# KiCad board RASRF2400WBMC.kicad_pcb (continued)
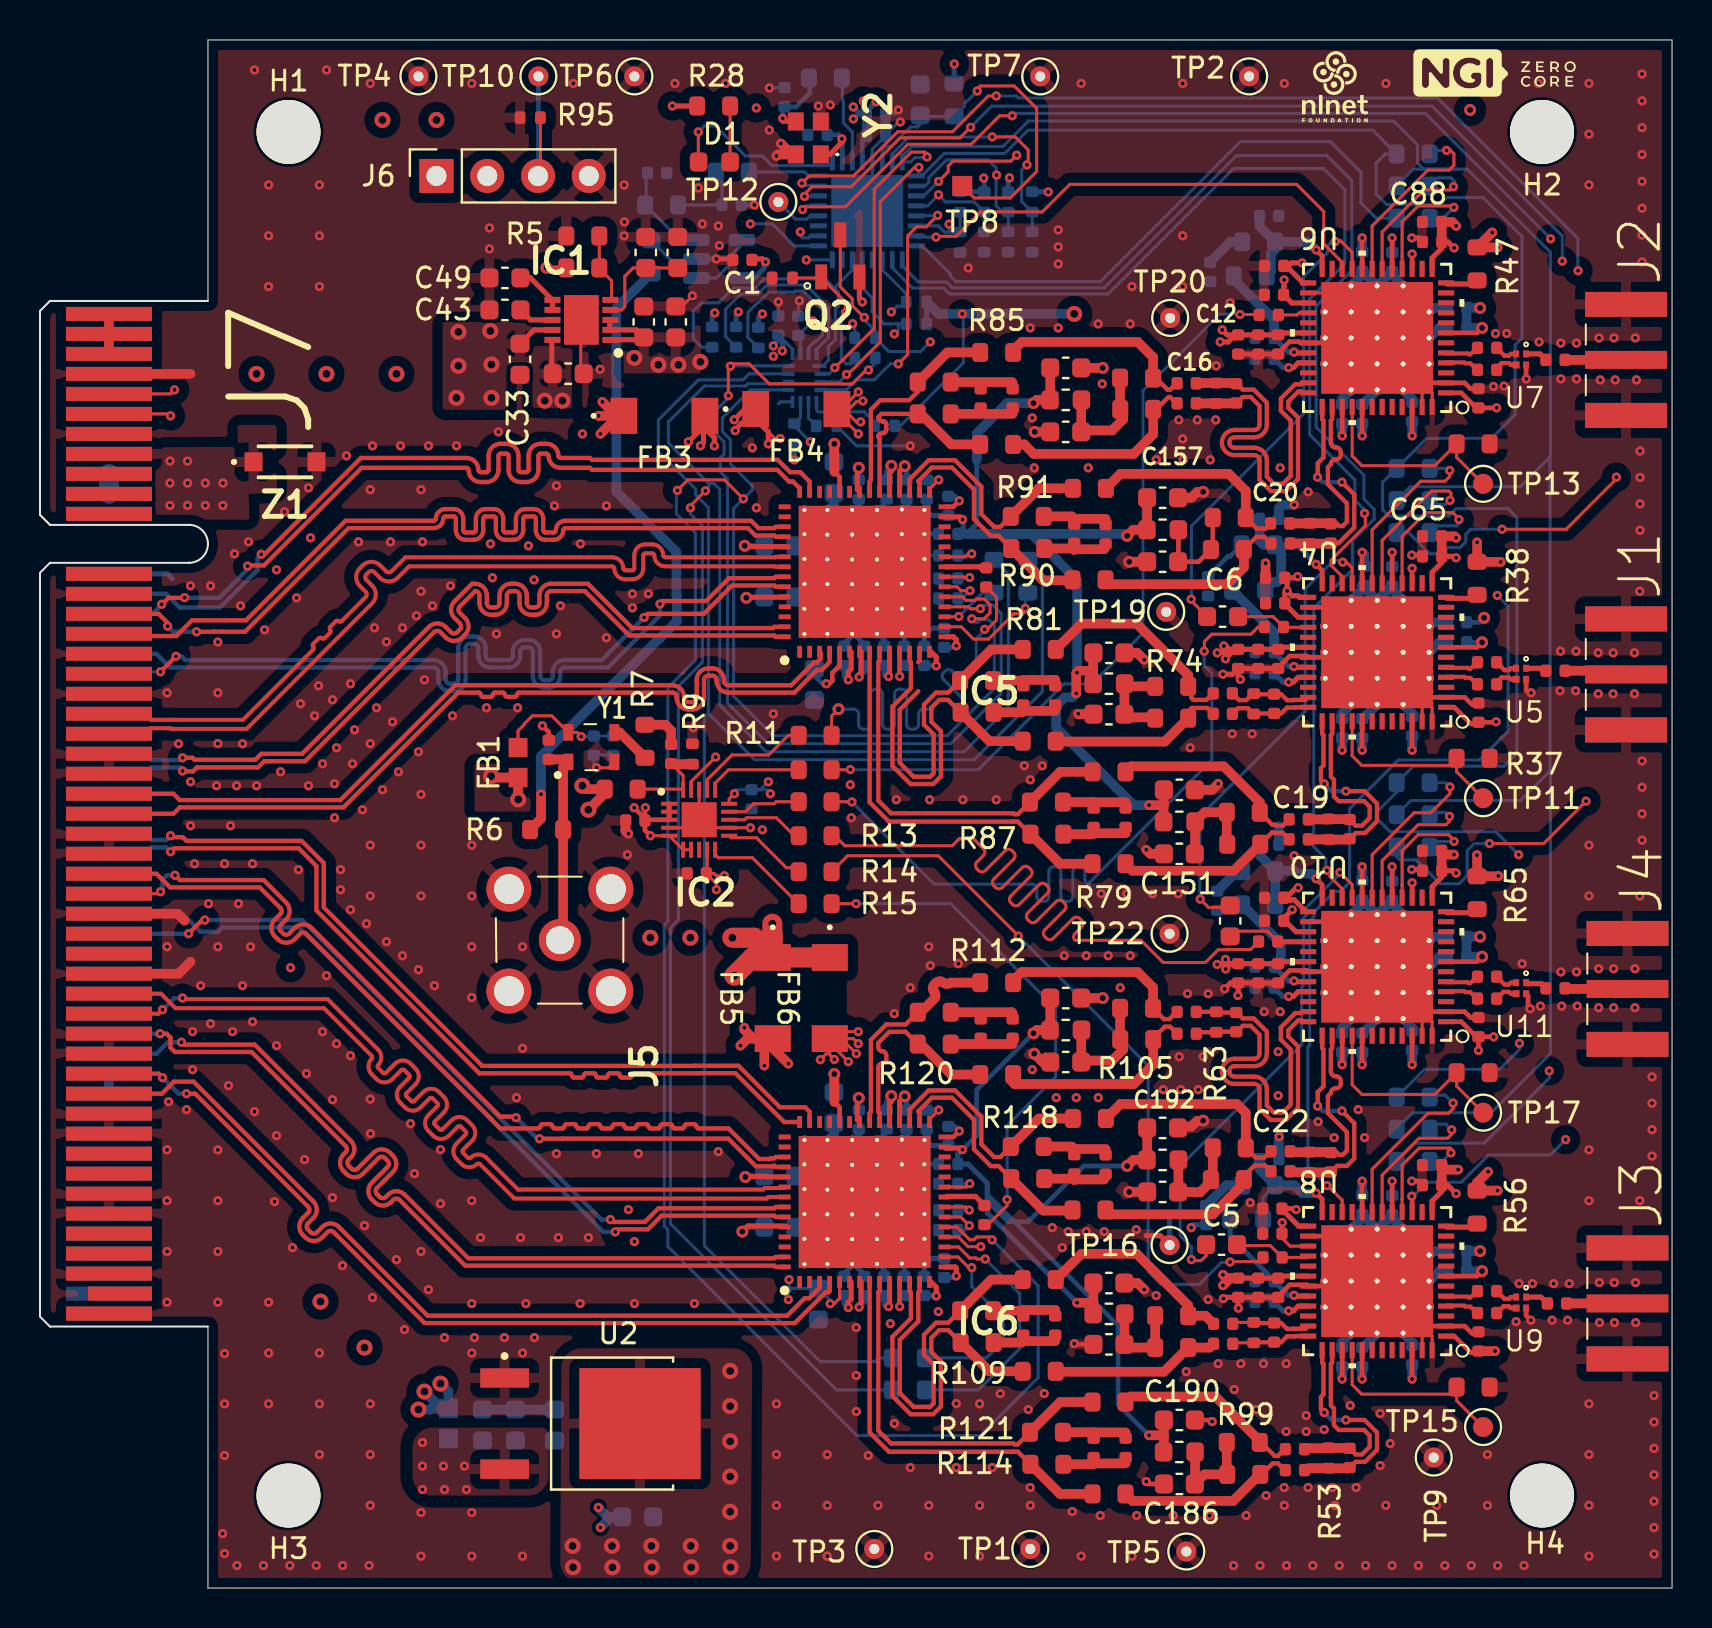
[diagram p0: board, top side]
## Routing (per net, layer and track width the routed paths; a pad name or vN(x,y) marks a point on that pad's centre or on a via; arc(x,y) is an arc through that point) (continued)
/ADC1_CLK: length 25.7
  Top w0.152: v2(39.94,43.95) 39.59,43.61 R11.2 ; C31.1 47.84,49.55 47.84,48.41 47.47,48.04 47.35,47.92 47.25,47.92 v1(47.25,47.95)
  Bottom w0.152: v2(39.94,43.95) 40.7,43.95 arc(40.87,43.88) 40.94,43.72 40.94,43.19 arc(41.01,43.03) 41.18,42.95 41.3,42.95 arc(41.47,43.03) 41.54,43.19 41.54,44.72 arc(41.61,44.88) 41.78,44.95 41.9,44.95 arc(42.07,44.88) 42.14,44.72 42.14,43.19 arc(42.21,43.03) 42.38,42.95 42.5,42.95 arc(42.67,43.03) 42.74,43.19 42.74,44.72 arc(42.81,44.88) 42.98,44.95 43.1,44.95 arc(43.27,44.88) 43.34,44.72 43.34,43.19 arc(43.41,43.03) 43.58,42.95 43.7,42.95 arc(43.87,43.03) 43.94,43.19 43.94,43.72 arc(44.01,43.88) 44.18,43.95 44.57,43.95 45.03,44.41 arc(45.2,44.48) 45.37,44.41 45.74,44.05 arc(45.91,43.98) 46.08,44.05 46.16,44.13 arc(46.23,44.3) 46.16,44.47 45.19,45.44 arc(45.12,45.61) 45.19,45.78 45.28,45.86 arc(45.45,45.93) 45.62,45.86 45.88,45.6 arc(46.05,45.53) 46.22,45.6 46.83,46.22 46.83,47.47 47.25,47.89 v1(47.25,47.95)
/ADC1_CS: length 51.6
  Top w0.152: v1(41.44,60.92) 41.32,60.92 40.63,60.22 40.55,60.22 40.54,60.22 40.14,60.22 40.13,60.22 36.48,60.22 35.48,61.22 34.65,61.22 v1(34.53,61.11) 34.43,61.01 v1(34.43,59.64) ; v1(47.03,48.98) 47.03,48.97 46.54,48.97 46.44,49.08 46.23,49.08 46.23,49.08 45.25,49.08 IC5.18
  Bottom w0.152: U3.12 34.55,61.12 v1(34.53,61.11) ; v1(47.03,48.98) 47.21,49.16 47.67,49.16 48.07,48.75 48.07,44.73 45.56,42.22 36.43,42.22 34.39,44.27 34.39,55.47 34.03,55.83 34.03,56.52 34.22,56.71 34.22,57.33 33.73,57.82 33.73,58.25 33.73,58.26 33.73,58.83 34.33,59.42 34.33,59.54 v1(34.43,59.64) ; v1(41.44,60.92) 41.77,61.25 R126.1
/ADC1_DA0_N: length 42.5
  Top w0.216: IC5.4 39.5,46.31 39.1,45.92 38.86,45.92 37.73,44.78 34.43,44.78 arc(34.02,44.96) 33.84,45.37 33.84,45.41 arc(33.78,45.57) 33.63,45.63 33.43,45.63 arc(33.28,45.57) 33.21,45.41 33.21,44.52 arc(33.04,44.11) 32.63,43.94 32.43,43.94 arc(32.02,44.11) 31.84,44.52 31.84,44.57 arc(31.78,44.72) 31.63,44.78 23.96,44.78 arc(23.89,44.75) 23.85,44.68 arc(23.82,44.6) 23.75,44.57 23.36,44.57 arc(23.29,44.6) 23.25,44.68 arc(23.22,44.75) 23.15,44.78 22.76,44.78 arc(22.69,44.75) 22.65,44.68 arc(22.62,44.6) 22.55,44.57 22.16,44.57 arc(22.09,44.6) 22.05,44.68 arc(22.02,44.75) 21.95,44.78 20.92,44.78 15.18,39.04 6.99,39.04 6.68,38.72 J7.B24
/ADC1_DA0_P: length 41.4
  Top w0.216: IC5.3 39.06,46.76 39.06,46.49 38.85,46.29 38.71,46.29 37.58,45.15 34.43,45.15 arc(34.28,45.22) 34.21,45.37 34.21,45.41 arc(34.04,45.83) 33.63,46 33.43,46 arc(33.02,45.83) 32.84,45.41 32.84,44.52 arc(32.78,44.37) 32.63,44.31 32.43,44.31 arc(32.28,44.37) 32.21,44.52 32.21,44.57 arc(32.04,44.98) 31.63,45.15 20.77,45.15 15.02,39.41 6.99,39.41 6.68,39.72 J7.B23
/ADC1_DB0_N: length 43.8
  Top w0.216: IC5.56 36.8,47.57 36.73,47.64 29.47,47.64 27.25,49.86 25.57,49.86 arc(25.41,49.8) 25.35,49.64 25.35,49.26 arc(25.18,48.85) 24.77,48.68 24.57,48.68 arc(24.15,48.85) 23.98,49.26 23.98,49.64 arc(23.92,49.8) 23.77,49.86 23.57,49.86 arc(23.41,49.8) 23.35,49.64 23.35,49.26 arc(23.18,48.85) 22.77,48.68 22.57,48.68 arc(22.15,48.85) 21.98,49.26 21.98,49.64 arc(21.92,49.8) 21.77,49.86 20.99,49.09 arc(20.93,48.93) 20.99,48.78 21.26,48.51 arc(21.43,48.1) 21.26,47.68 21.12,47.54 arc(20.71,47.37) 20.3,47.54 20.02,47.81 arc(19.87,47.88) 19.72,47.81 13.26,41.35 11.22,41.35 10.91,41.04 7.85,41.04 7.65,40.84 7.15,40.84 v1(7.13,40.86)
  Bottom w0.216: J7.A22 5.25,40.72 5.57,41.04 7.01,41.04 7.13,40.92 v1(7.13,40.86)
/ADC1_DB0_P: length 43.7
  Top w0.216: v1(7.13,41.53) 7.63,41.53 7.73,41.42 10.77,41.42 11.07,41.72 13.11,41.72 19.32,47.93 19.46,48.07 arc(19.87,48.24) 20.28,48.07 20.56,47.8 arc(20.71,47.74) 20.86,47.8 21,47.94 arc(21.07,48.1) 21,48.25 20.73,48.52 arc(20.56,48.93) 20.73,49.35 21.61,50.23 21.77,50.23 arc(22.18,50.06) 22.35,49.64 22.35,49.26 arc(22.41,49.11) 22.57,49.05 22.77,49.05 arc(22.92,49.11) 22.98,49.26 22.98,49.64 arc(23.15,50.06) 23.57,50.23 23.77,50.23 arc(24.18,50.06) 24.35,49.64 24.35,49.26 arc(24.41,49.11) 24.57,49.05 24.77,49.05 arc(24.92,49.11) 24.98,49.26 24.98,49.64 arc(25.15,50.06) 25.57,50.23 27.41,50.23 29.63,48.01 36.66,48.01 36.73,48.07 IC5.55
  Bottom w0.216: v1(7.13,41.53) 7.01,41.41 5.57,41.41 5.25,41.72 J7.A21
/ADC1_DC0_N: length 41.9
  Top w0.216: v1(7.83,47.83) 8.68,47.83 8.68,47.83 9.11,47.83 9.11,47.83 10.25,47.83 15.44,53.01 19.69,53.01 arc(20.03,53.15) 20.17,53.49 arc(20.2,53.56) 20.28,53.6 20.69,53.6 arc(20.77,53.56) 20.8,53.49 20.8,52.9 arc(20.94,52.57) 21.28,52.43 21.69,52.43 arc(22.03,52.57) 22.17,52.9 22.17,53.49 arc(22.2,53.56) 22.28,53.6 22.69,53.6 arc(22.77,53.56) 22.8,53.49 22.8,52.9 arc(22.94,52.57) 23.28,52.43 23.69,52.43 arc(24.03,52.57) 24.17,52.9 24.17,53.49 arc(24.2,53.56) 24.28,53.6 24.69,53.6 arc(24.77,53.56) 24.8,53.49 24.8,52.9 arc(24.94,52.57) 25.28,52.43 25.69,52.43 arc(26.03,52.57) 26.17,52.9 arc(26.2,52.98) 26.28,53.01 35.41,53.01 35.78,52.64 36.73,52.64 36.8,52.57 IC5.46 ; v1(6.39,48.11) 6.39,48.27 5.93,48.72 J7.B14
  Bottom w0.216: v1(6.39,48.11) 6.67,47.83 v1(7.83,47.83)
/ADC1_DC0_P: length 41.7
  Top w0.216: J7.B15 3.56,47.61 6.82,47.61 7.6,48.4 10.3,48.4 15.28,53.38 19.69,53.38 arc(19.77,53.41) 19.8,53.49 arc(19.94,53.82) 20.28,53.96 20.69,53.96 arc(21.03,53.82) 21.17,53.49 21.17,52.9 arc(21.2,52.83) 21.28,52.79 21.69,52.79 arc(21.77,52.83) 21.8,52.9 21.8,53.49 arc(21.94,53.82) 22.28,53.96 22.69,53.96 arc(23.03,53.82) 23.17,53.49 23.17,52.9 arc(23.2,52.83) 23.28,52.79 23.69,52.79 arc(23.77,52.83) 23.8,52.9 23.8,53.49 arc(23.94,53.82) 24.28,53.96 24.69,53.96 arc(25.03,53.82) 25.17,53.49 25.17,52.9 arc(25.2,52.83) 25.28,52.79 25.69,52.79 arc(25.77,52.83) 25.8,52.9 arc(25.94,53.24) 26.28,53.38 35.57,53.38 35.94,53.01 36.73,53.01 36.8,53.07 IC5.45
/ADC1_DCLK_N: length 42.5
  Top w0.216: v1(30.22,48.54) 30.4,48.72 33.2,48.72 34.62,50.14 36.73,50.14 36.8,50.07 IC5.51 ; v1(6.8,46.6) v1(6.03,45.83)
  Bottom w0.152: v1(6.03,45.83) 5.53,45.83 5.43,45.72 J7.A17
  Bottom w0.216: v1(6.8,46.6) 7.08,46.6 7.27,46.41 19.7,46.41 arc(20.12,46.24) 20.29,45.83 20.29,45.44 arc(20.35,45.29) 20.5,45.23 20.7,45.23 arc(20.86,45.29) 20.92,45.44 20.92,47.01 arc(21.09,47.42) 21.5,47.59 21.7,47.59 arc(22.12,47.42) 22.29,47.01 22.29,46.62 arc(22.35,46.47) 22.5,46.41 23.44,46.41 arc(23.59,46.47) 23.65,46.62 23.65,46.83 arc(23.82,47.25) 24.24,47.42 24.44,47.42 arc(24.85,47.25) 25.02,46.83 25.02,45.62 arc(25.08,45.47) 25.24,45.4 25.44,45.4 arc(25.59,45.47) 25.65,45.62 25.65,45.83 arc(25.82,46.24) 26.24,46.41 28.09,46.41 28.41,46.72 28.41,46.73 v1(30.22,48.54)
/ADC1_DCLK_P: length 43
  Top w0.216: v1(31.01,49.22) 31.16,49.36 33.32,49.36 34.46,50.51 36.73,50.51 36.8,50.57 IC5.50
  Bottom w0.216: v1(31.01,49.22) 31.01,48.64 28.42,46.04 26.24,46.04 arc(26.08,45.98) 26.02,45.83 26.02,45.62 arc(25.85,45.2) 25.44,45.03 25.24,45.03 arc(24.82,45.2) 24.65,45.62 24.65,46.83 arc(24.59,46.98) 24.44,47.05 24.24,47.05 arc(24.08,46.98) 24.02,46.83 24.02,46.62 arc(23.85,46.21) 23.44,46.04 22.5,46.04 arc(22.09,46.21) 21.92,46.62 21.92,47.01 arc(21.86,47.16) 21.7,47.22 21.5,47.22 arc(21.35,47.16) 21.29,47.01 21.29,45.44 arc(21.12,45.03) 20.7,44.86 20.5,44.86 arc(20.09,45.03) 19.92,45.44 19.92,45.83 arc(19.86,45.98) 19.7,46.04 6.51,46.04 5.82,46.72 J7.A16
/ADC1_DD0_N: length 42.4
  Top w0.216: v1(10.38,51.11) 10.42,51.14 10.48,51.14 10.48,51.15 11.2,51.15 16.08,56.03 21.33,56.03 arc(21.4,55.99) 21.44,55.92 arc(21.61,55.49) 22.04,55.31 22.33,55.31 arc(22.75,55.49) 22.93,55.92 22.93,56.63 arc(22.96,56.7) 23.04,56.74 23.33,56.74 arc(23.4,56.7) 23.44,56.63 23.44,55.92 arc(23.61,55.49) 24.04,55.31 24.33,55.31 arc(24.75,55.49) 24.93,55.92 24.93,56.63 arc(24.96,56.7) 25.04,56.74 25.33,56.74 arc(25.4,56.7) 25.44,56.63 arc(25.61,56.2) 26.04,56.03 27.51,56.03 27.61,55.92 36.88,55.92 37.46,55.34 37.66,55.34 38,55 IC5.42 ; v1(6.09,49.2) 6.11,49.2 6.43,49.53 7.22,49.53 v1(7.23,49.53)
  Bottom w0.216: v1(10.38,51.11) 10.38,50.95 8.96,49.53 7.24,49.53 v1(7.23,49.53) ; J7.A14 5.63,48.72 6.09,49.18 v1(6.09,49.2)
/ADC1_DD0_P: length 44
  Top w0.216: IC5.41 38.5,55.34 38.03,55.81 37.52,55.81 36.9,56.42 27.6,56.42 27.51,56.52 26.04,56.52 arc(25.96,56.55) 25.93,56.63 arc(25.75,57.05) 25.33,57.23 25.04,57.23 arc(24.61,57.05) 24.44,56.63 24.44,55.92 arc(24.4,55.84) 24.33,55.81 24.04,55.81 arc(23.96,55.84) 23.93,55.92 23.93,56.63 arc(23.75,57.05) 23.33,57.23 23.04,57.23 arc(22.61,57.05) 22.44,56.63 22.44,55.92 arc(22.4,55.84) 22.33,55.81 22.04,55.81 arc(21.96,55.84) 21.93,55.92 arc(21.75,56.34) 21.33,56.52 16.05,56.52 11.17,51.64 11.14,51.64 11.07,51.7 v1(11.07,51.7)
  Bottom w0.216: 10.73,50.76 9.01,49.04 6.99,49.04 6.31,49.72 J7.A13 ; 10.73,50.76 10.88,50.91 10.88,51.52 v1(11.07,51.7)
/ADC1_FCLK_N: length 40.8
  Top w0.2: IC5.49 36.8,51.07 36.77,51.1 31.27,51.1 arc(30.89,51.26) 30.72,51.65 arc(30.7,51.72) 30.62,51.75 30.27,51.75 arc(30.2,51.72) 30.17,51.65 30.17,51 arc(30.01,50.61) 29.62,50.45 29.27,50.45 arc(28.89,50.61) 28.72,51 arc(28.7,51.07) 28.62,51.1 18.46,51.1 17.89,50.52 arc(17.45,50.34) 17,50.52 16.7,50.83 arc(16.58,50.88) 16.46,50.83 16.31,50.68 arc(16.26,50.56) 16.31,50.44 16.61,50.14 arc(16.8,49.69) 16.61,49.25 15.86,48.49 10.33,42.97 6.56,42.97 6.53,43 5.53,43 5.25,42.72 J7.B20
/ADC1_FCLK_P: length 41.3
  Top w0.2: IC5.48 36.8,51.57 36.77,51.55 31.27,51.55 arc(31.2,51.58) 31.17,51.65 arc(31.01,52.04) 30.62,52.2 30.27,52.2 arc(29.89,52.04) 29.72,51.65 29.72,51 arc(29.7,50.93) 29.62,50.9 29.27,50.9 arc(29.2,50.93) 29.17,51 arc(29.01,51.39) 28.62,51.55 18.28,51.55 17.57,50.84 arc(17.45,50.79) 17.32,50.84 17.02,51.14 arc(16.58,51.33) 16.14,51.14 16,51 arc(15.81,50.56) 16,50.12 16.3,49.82 arc(16.35,49.69) 16.3,49.57 15.08,48.35 arc(15.01,48.32) 14.94,48.35 arc(14.87,48.38) 14.8,48.35 14.51,48.07 arc(14.49,48) 14.51,47.93 arc(14.54,47.86) 14.51,47.79 14.23,47.51 arc(14.16,47.48) 14.09,47.51 arc(14.02,47.53) 13.95,47.51 13.67,47.22 arc(13.64,47.15) 13.67,47.08 arc(13.7,47.01) 13.67,46.94 10.15,43.42 6.73,43.42 6.72,43.42 5.55,43.42 5.25,43.72 J7.B19
/ADC2_CLK: length 25.8
  Top w0.152: v1(48.37,19.42) 48.37,19.12 47.42,18.17 C32.1 ; v1(40.82,34.22) R15.2
  Bottom w0.152: v1(40.82,34.22) 45.56,34.22 47.93,31.86 47.94,31.86 50.8,29 50.8,25.56 48.37,23.12 v1(48.37,19.42)
/ADC2_CS: length 63.2
  Top w0.152: Q2.3 40.03,65.08 40.63,64.48 40.63,64.14 41.19,63.58 41.2,63.58 v1(41.23,63.55) ; IC6.18 45.93,17.56 46.41,17.07 v1(47.06,17.07)
  In2.Cu w0.152: v1(47.05,17.07) 47.03,17.1 47.03,29.33 51.33,33.62 51.33,59.22 48.23,62.33 v1(44.53,62.33)
  Bottom w0.152: v1(41.23,63.55) 41.23,63.45 41.33,63.35 41.33,63.33 41.77,62.88 R125.2 42.46,61.84 44.04,61.84 v1(44.53,62.33)
/ADC2_DA0_N: length 44
  Top w0.216: IC6.4 39.5,14.86 39.43,14.79 39.3,14.79 37.76,13.25 19.23,13.25 14.69,17.8 arc(14.53,17.86) 14.38,17.8 14.11,17.53 arc(13.7,17.36) 13.28,17.53 13.14,17.67 arc(12.97,18.08) 13.14,18.5 13.41,18.77 arc(13.48,18.92) 13.41,19.07 7.76,24.72 v1(7.33,24.72) ; J7.B37 5.93,25.72 v1(6.13,25.53)
  Bottom w0.216: v1(7.33,24.72) 6.93,24.72 v1(6.13,25.53)
/ADC2_DA0_P: length 43.2
  Top w0.216: J7.B38 6.1,24.72 6.7,25.33 7.68,25.33 13.67,19.33 arc(13.84,18.92) 13.67,18.51 13.4,18.23 arc(13.34,18.08) 13.4,17.93 13.54,17.79 arc(13.7,17.72) 13.85,17.79 14.12,18.06 arc(14.53,18.23) 14.95,18.06 19.39,13.62 37.37,13.62 38.25,14.49 38.48,14.49 39,15.01 IC6.3
/ADC2_DB0_N: length 43.3
  Top w0.216: v1(6.01,27.72) 6.33,27.72 6.53,27.53 6.53,27.03 6.75,26.81 10.58,26.81 15.29,22.1 arc(15.36,21.95) 15.29,21.8 15.18,21.68 arc(15.01,21.27) 15.18,20.86 15.32,20.71 arc(15.73,20.54) 16.15,20.71 16.94,21.51 arc(17.09,21.57) 17.25,21.51 17.39,21.37 arc(17.45,21.22) 17.39,21.06 16.59,20.27 arc(16.42,19.85) 16.59,19.44 16.73,19.3 arc(17.15,19.13) 17.56,19.3 17.67,19.41 arc(17.83,19.48) 17.98,19.41 21.27,16.12 36.73,16.12 36.8,16.06 IC6.56
  Bottom w0.216: v1(6.01,27.72) J7.A35
/ADC2_DB0_P: length 42.9
  Top w0.216: IC6.55 36.8,16.56 36.73,16.49 21.42,16.49 18.24,19.68 arc(17.83,19.85) 17.41,19.68 17.3,19.56 arc(17.15,19.5) 16.99,19.56 16.85,19.7 arc(16.79,19.85) 16.85,20.01 17.65,20.8 arc(17.82,21.22) 17.65,21.63 17.51,21.77 arc(17.09,21.94) 16.68,21.77 15.89,20.97 arc(15.73,20.91) 15.58,20.97 15.44,21.12 arc(15.38,21.27) 15.44,21.42 15.55,21.54 arc(15.72,21.95) 15.55,22.36 10.74,27.18 7.2,27.18 v1(7.08,27.3)
  Bottom w0.216: J7.A36 5.83,26.72 6.41,27.3 v1(7.08,27.3)
/ADC2_DC0_N: length 42.3
  Top w0.152: v1(6.03,34.83) 5.93,34.72 J7.B28
  Top w0.216: v1(6.75,35.65) 6.99,35.41 11.19,35.41 12.31,34.28 arc(12.49,33.86) 12.31,33.44 12.03,33.16 arc(11.97,33.01) 12.03,32.87 12.17,32.73 arc(12.31,32.67) 12.46,32.73 12.74,33.01 arc(13.16,33.19) 13.58,33.01 23.02,23.58 23.76,23.58 v1(23.81,23.53) ; IC6.46 36.8,21.06 36.73,21.12 36.69,21.12 36.66,21.09 35.81,21.09 34.43,22.47 26.11,22.47 26.11,22.47 v1(24.98,22.47)
  Bottom w0.216: v1(24.98,22.47) 24.86,22.47 v1(23.81,23.53) ; v1(6.75,35.65) 6.35,35.65 6.13,35.42 6.13,34.92 v1(6.03,34.83)
/ADC2_DC0_P: length 43.2
  Top w0.216: IC6.45 36.8,21.56 36.73,21.49 36.55,21.49 36.52,21.46 35.97,21.46 34.44,22.98 32.94,22.98 arc(32.86,23.02) 32.83,23.09 arc(32.8,23.17) 32.72,23.2 32.34,23.2 arc(32.26,23.17) 32.23,23.09 arc(32.2,23.02) 32.12,22.98 31.74,22.98 arc(31.66,23.02) 31.63,23.09 arc(31.6,23.17) 31.52,23.2 31.14,23.2 arc(31.06,23.17) 31.03,23.09 arc(31,23.02) 30.92,22.98 30.54,22.98 arc(30.46,23.02) 30.43,23.09 arc(30.4,23.17) 30.32,23.2 29.94,23.2 arc(29.86,23.17) 29.83,23.09 arc(29.8,23.02) 29.72,22.98 29.34,22.98 arc(29.26,23.02) 29.23,23.09 arc(29.2,23.17) 29.12,23.2 28.74,23.2 arc(28.66,23.17) 28.63,23.09 arc(28.6,23.02) 28.52,22.98 28.14,22.98 arc(28.06,23.02) 28.03,23.09 arc(28,23.17) 27.92,23.2 27.54,23.2 arc(27.46,23.17) 27.43,23.09 arc(27.4,23.02) 27.32,22.98 26.94,22.98 arc(26.86,23.02) 26.83,23.09 arc(26.8,23.17) 26.72,23.2 26.34,23.2 arc(26.26,23.17) 26.23,23.09 arc(26.2,23.02) 26.12,22.98 25.74,22.98 arc(25.66,23.02) 25.63,23.09 arc(25.6,23.17) 25.52,23.2 25.14,23.2 arc(25.06,23.17) 25.03,23.09 arc(25,23.02) 24.92,22.98 23.03,22.98 22.58,23.43 22.58,23.45 13.3,32.73 arc(13.16,32.79) 13.02,32.73 12.74,32.45 arc(12.31,32.27) 11.89,32.45 11.75,32.59 arc(11.57,33.01) 11.75,33.44 12.03,33.72 arc(12.09,33.86) 12.03,34 10.99,35.04 6.51,35.04 5.82,35.72 J7.B27
/ADC2_DCLK_N: length 40.9
  Top w0.216: v1(28.78,17.81) 28.9,17.94 30.41,17.94 31.09,18.62 36.73,18.62 36.8,18.56 IC6.51
  Bottom w0.216: v1(28.78,17.81) 28.18,17.81 12.95,33.04 9.15,33.04 8.93,32.83 8.02,32.83 7.12,33.72 J7.A29
/ADC2_DCLK_P: length 40.6
  Top w0.216: v1(7.43,32.72) 8.11,33.41 v1(8.25,33.41) ; IC6.50 36.8,19.06 36.73,18.99 30.94,18.99 30.25,18.31 28.65,18.31 v1(28.53,18.42)
  Bottom w0.216: v1(28.53,18.42) 28.09,18.42 13.11,33.41 v1(8.25,33.41) ; J7.A30 v1(7.43,32.72)
/ADC2_DD0_N: length 42.5
  Top w0.216: 37.98,23.31 37.79,23.31 37.79,23.31 37.23,23.31 34.78,25.75 32.92,25.75 32.91,25.75 29.71,25.75 arc(29.63,25.71) 29.6,25.64 arc(29.57,25.56) 29.5,25.53 29.11,25.53 arc(29.03,25.56) 29,25.64 arc(28.97,25.71) 28.9,25.75 28.51,25.75 arc(28.43,25.71) 28.4,25.64 arc(28.37,25.56) 28.3,25.53 27.91,25.53 arc(27.83,25.56) 27.8,25.64 arc(27.77,25.71) 27.7,25.75 27.31,25.75 arc(27.23,25.71) 27.2,25.64 arc(27.17,25.56) 27.1,25.53 26.71,25.53 arc(26.63,25.56) 26.6,25.64 arc(26.57,25.71) 26.5,25.75 21.97,25.75 13.83,33.89 13.83,36.11 12.93,37 6.72,37 6.55,36.83 v1(6.53,36.83)
  Bottom w0.216: v1(6.53,36.83) 6.31,37.04 5.57,37.04 5.25,36.72 J7.A26
/ADC2_DD0_P: length 42.8
  Top w0.216: v1(6.53,37.62) 6.6,37.56 7.14,37.56 7.33,37.37 13.09,37.37 14.19,36.26 14.19,34.04 22.12,26.11 32.76,26.11 32.76,26.12 34.94,26.12 37.01,24.05 38.27,24.05 38.5,23.82 IC6.41
  Bottom w0.216: v1(6.53,37.62) 6.31,37.41 5.57,37.41 5.25,37.72 J7.A25
/ADC2_FCLK_N: length 44.9
  Top w0.2: IC6.49 36.43,19.56 36.35,19.48 23.73,19.48 22,21.2 arc(21.93,21.23) 21.86,21.2 arc(21.47,21.04) 21.08,21.2 20.84,21.45 arc(20.67,21.84) 20.84,22.23 21.29,22.69 arc(21.32,22.76) 21.29,22.83 21.05,23.08 arc(20.98,23.11) 20.91,23.08 20.45,22.62 arc(20.06,22.46) 19.67,22.62 19.42,22.87 arc(19.26,23.26) 19.42,23.64 19.88,24.1 arc(19.91,24.17) 19.88,24.25 19.63,24.49 arc(19.56,24.52) 19.49,24.49 19.03,24.03 arc(18.64,23.87) 18.25,24.03 18.01,24.28 arc(17.85,24.67) 18.01,25.06 18.47,25.52 arc(18.5,25.59) 18.47,25.66 18.22,25.91 arc(18.15,25.94) 18.08,25.91 17.62,25.45 arc(17.23,25.29) 16.84,25.45 16.59,25.69 arc(16.43,26.08) 16.59,26.47 arc(16.62,26.54) 16.59,26.61 14.21,29 6.77,29 6.05,29.72 J7.B33
/ADC2_FCLK_P: length 45
  Top w0.2: v1(7.13,29.51) 7.19,29.45 14.39,29.45 16.91,26.93 arc(17.07,26.54) 16.91,26.15 arc(16.88,26.08) 16.91,26.01 17.16,25.77 arc(17.23,25.74) 17.3,25.77 17.76,26.23 arc(18.15,26.39) 18.54,26.23 18.78,25.98 arc(18.95,25.59) 18.78,25.2 18.32,24.74 arc(18.3,24.67) 18.32,24.6 18.57,24.35 arc(18.64,24.32) 18.71,24.35 19.17,24.81 arc(19.56,24.97) 19.95,24.81 20.2,24.56 arc(20.36,24.17) 20.2,23.79 19.74,23.33 arc(19.71,23.26) 19.74,23.18 19.99,22.94 arc(20.06,22.91) 20.13,22.94 20.59,23.4 arc(20.98,23.56) 21.37,23.4 21.61,23.15 arc(21.77,22.76) 21.61,22.37 21.15,21.91 arc(21.12,21.84) 21.15,21.77 21.4,21.52 arc(21.47,21.49) 21.54,21.52 arc(21.93,21.68) 22.32,21.52 23.91,19.93 36.17,19.93 36.25,20.01 37.2,20.01 IC6.48 ; J7.B34 5.93,28.72 v1(6.13,28.92)
  Bottom w0.2: v1(7.13,29.51) 6.71,29.51 v1(6.13,28.92)
/ADC_1/CLKP_ADC: length 2
  Top w0.254: 45.32,51.08 47,51.08 47.05,51.03 C31.2
/ADC_1/IN_A_N: length 9.3
  Top w0.216: R71.2 61.64,37.8 61.66,37.8 61.71,37.76 62.16,37.76 C23.2
  Top w0.483: R79.2 54.65,35.87 59.71,35.87 R71.2
/ADC_1/IN_A_P: length 9.9
  Top w0.216: R72.1 61.64,38.17 61.8,38.17 61.85,38.13 62.16,38.13 C19.1
  Top w0.483: R72.1 61.01,39.29 59.21,41.09 54.57,41.09 R80.2
/ADC_1/IN_B_N: length 10.7
  Top w0.216: C15.2 58.67,44.75 58.34,44.42 57.69,44.42 57.66,44.44 57.66,44.47 57.58,44.55 57.58,44.94 R73.2
  Top w0.483: R81.2 52.1,48.23 54.85,48.23 57.43,45.66 57.43,45.13
/ADC_1/IN_B_P: length 8.9
  Top w0.216: C24.2 58.39,44.02 57.61,44.02 57.43,43.83 R74.1
  Top w0.483: R74.1 56.26,42.33 50.83,42.33 R82.2
/ADC_1/IN_C_N: length 10
  Top w0.216: C25.2 61.24,52.58 60.85,52.58 R75.2
  Top w0.483: R83.2 53.52,50.2 59.37,50.2 60.22,51.05 R75.2
/ADC_1/IN_C_P: length 10.6
  Top w0.216: R76.1 60.86,52.98 61.29,52.98 C20.1
  Top w0.483: R84.2 54.04,55.72 59.46,55.72 60.31,54.88 R76.1
/ADC_1/IN_D_N: length 10.2
  Top w0.216: 55.82,60.51 56.4,59.94 56.53,59.94 56.84,60.25 C16.2
  Top w0.483: 55.82,60.51 R77.2 55.67,61.56 54.91,62.33 49.1,62.33 48.68,61.9 R85.2
/ADC_1/IN_D_P: length 10.4
  Top w0.216: 55.83,58.95 56.45,59.57 56.53,59.57 56.84,59.25 C26.2
  Top w0.483: 55.83,58.95 R78.1 55.68,57.7 54.71,56.72 49.71,56.72 49.23,57.2 R86.2
/ADC_1/INA_N: length 20
  Top w0.216: IC5.8 41.5,39.3 42.46,38.33 48.68,38.33 48.68,38.34 48.91,38.34 R87.2
  Top w0.483: R79.1 51.02,36.22 R87.2
/ADC_1/INA_P: length 19.3
  Top w0.216: R94.1 48.91,38.7 48.73,38.7 48.68,38.75 42.57,38.75 41.93,39.39 41.93,46.31 42,46.37 IC5.9
  Top w0.483: R80.1 51.03,40.82 R94.1
/ADC_1/INB_N: length 16.3
  Top w0.216: 43.93,46.31 44,46.37 IC5.13 ; 43.93,44.85 43,43.93 43,41.27 43.7,40.58 44.52,40.58 44.7,40.75 44.7,42.7 44.22,43.18 44.22,44.18 44.82,44.79 45.43,44.79 R88.2
  Top w0.483: R81.1 47.59,46.94 R88.2
/ADC_1/INB_P: length 18.3
  Top w0.216: R89.1 45.43,44.42 44.97,44.42 44.58,44.03 44.58,43.33 45.06,42.85 45.06,40.6 44.68,40.21 43.54,40.21 42.64,41.12 42.64,44.08 43.56,45.01 43.56,46.31 43.5,46.37 IC5.12
  Top w0.483: R89.1 47.49,42.36 R82.1
/ADC_1/INC_N: length 11.8
  Top w0.216: IC5.30 44,55.27 43.93,55.34 43.93,55.36 44.61,56.04 45.61,56.04 46.72,54.94 46.72,53.47 47.56,52.62 47.76,52.62 47.76,52.62 47.95,52.62 R90.2
  Top w0.483: R90.2 50.18,50.4 51.62,50.4 R83.1
/ADC_1/INC_P: length 12.2
  Top w0.216: IC5.31 43.5,55.45 44.45,56.41 45.77,56.41 47.08,55.09 47.08,53.71 47.72,53.08 48.03,53.08 R91.1
  Top w0.483: R91.1 49.96,55 51.68,55
/ADC_1/IND_N: length 11.1
  Top w0.216: R92.2 43.91,59.84 43.47,59.41 42.03,59.41 41.56,58.94 41.56,55.41 41.5,55.34 IC5.35
  Top w0.483: R85.1 45.39,61.8 R92.2
/ADC_1/IND_P: length 10
  Top w0.216: IC5.34 42,57.51 41.93,57.58 41.93,57.61 41.94,57.64 41.96,57.67 41.98,57.69 42,57.71 42.02,57.73 42.05,57.75 42.08,57.76 42.11,57.76 42.14,57.76 42.18,57.77 42.21,57.78 42.23,57.79 42.26,57.81 42.28,57.83 42.3,57.86 42.31,57.88 42.32,57.91 42.33,57.95 42.33,57.96 42.33,58.16 42.33,58.18 42.32,58.21 42.31,58.24 42.3,58.27 42.28,58.29 42.26,58.31 42.23,58.33 42.21,58.35 42.18,58.36 42.14,58.36 42.11,58.36 42.08,58.37 42.05,58.38 42.02,58.39 42,58.41 41.98,58.43 41.96,58.46 41.94,58.48 41.93,58.51 41.93,58.55 41.93,58.56 42.09,58.72 R93.1
  Top w0.483: R93.1 44.05,58.72 45.58,57.2 R86.1
